# Altium PCB Main.PcbDoc (part 2 of 2)
Units mm, origin at the board's own origin, x right, y up, seen from the top; angles counter-clockwise.
Board outline 244.55 x 130.41 mm, 2 copper layers (Top Layer, Bottom Layer); 159 components, 129 nets, 561 pads, 145 vias.
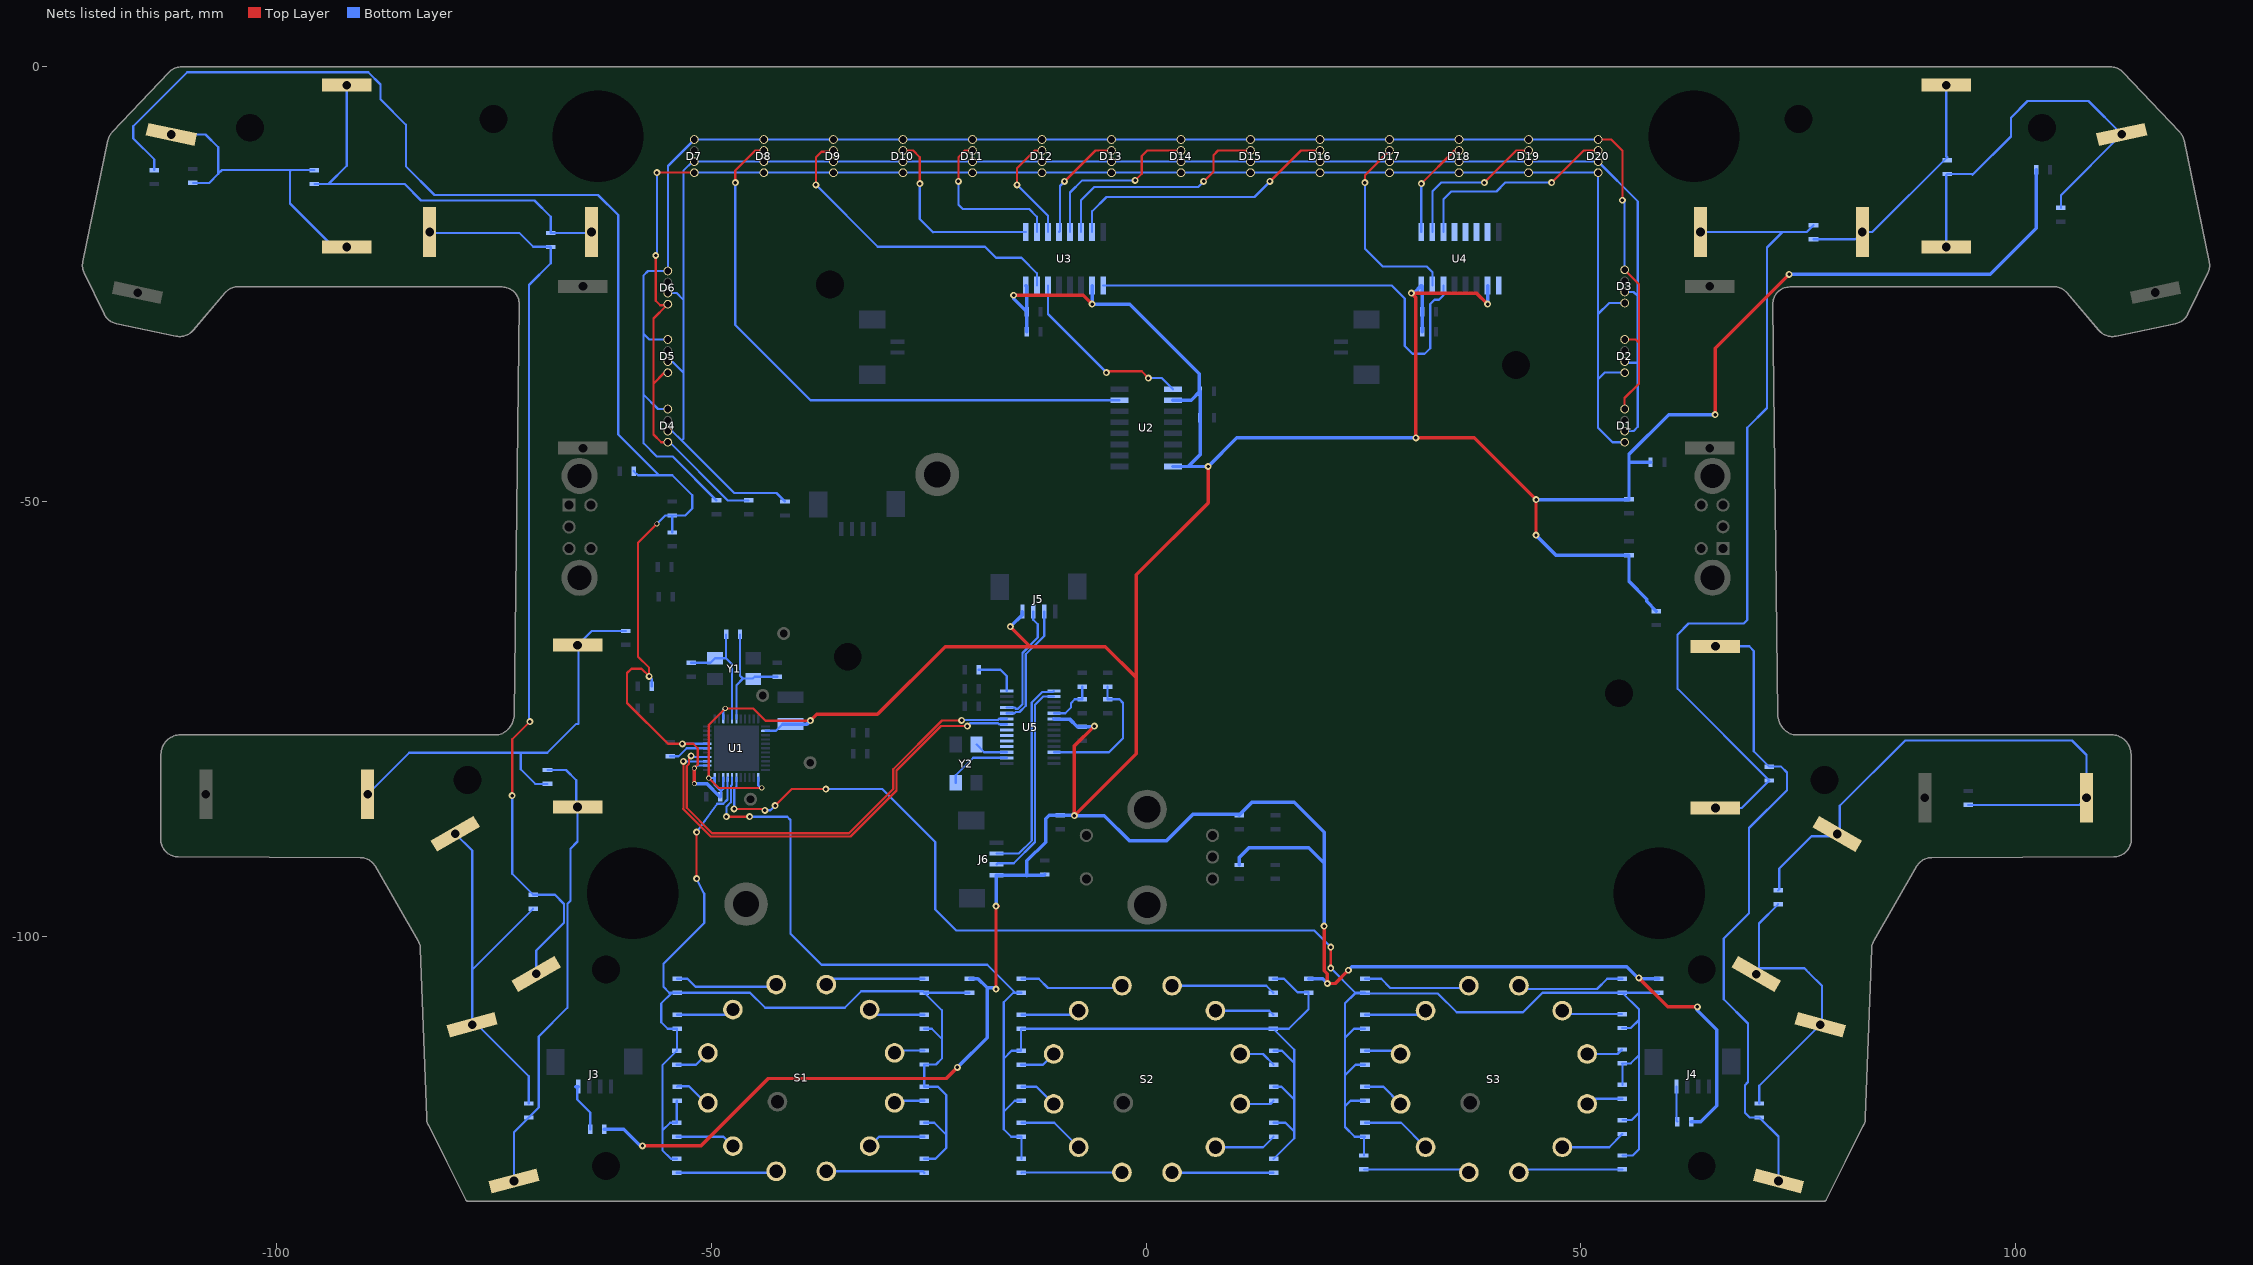
[diagram p2: the nets of this part, all layers, seen from the top]

## Via types
v1: diameter 0.8, hole 0.4, Top Layer to Bottom Layer, tented both sides, 139 vias
v2: diameter 0.6, hole 0.4, Top Layer to Bottom Layer, tented both sides, 6 vias

## Nets (pads, with @x,y where several pads share a name; then routed paths per layer and width w, separated by ;. In a path a pad name is that pad's centre, name@x,y a point inside that pad or via, vN(x,y) a via of type N, cw(c..) or ccw(c..) an arc to the next point about the centre after c; other vN are vias at no path point) (continued)
L8: D8.2 U2.7 | length 69.8
  Top Layer w0.254: v1(-47.219,-13.31) -47.219,-11.913 -44.933,-9.627 D8.2@-43.927,-9.627
  Bottom Layer w0.254: v1(-47.219,-13.31) -47.219,-29.693 -38.583,-38.329 U2.7@-3.049,-38.329
L9: D9.2 U3.15 | length 36.5
  Top Layer w0.254: v1(-37.948,-13.564) -37.948,-10.389 -37.313,-9.754 -36.063,-9.754 D9.2@-35.936,-9.627
  Bottom Layer w0.254: v1(-37.948,-13.564) -30.836,-20.676 -18.517,-20.676 -17.247,-21.946 -14.326,-21.946 -12.548,-23.724 U3.15@-12.548,-25.146
L10: D10.2 U3.1 | length 22.2
  Top Layer w0.254: D10.2@-27.945,-9.627 -26.772,-9.627 -26.01,-10.389 v1(-26.01,-13.437)
  Bottom Layer w0.254: v1(-26.01,-13.437) -26.01,-17.501 -24.486,-19.025 -24.461,-19 U3.1@-13.818,-19
L11: D11.2 U3.2 | length 18.7
  Top Layer w0.254: v1(-21.565,-13.183) -21.565,-10.389 -20.803,-9.627 D11.2@-19.954,-9.627
  Bottom Layer w0.254: v1(-21.565,-13.183) -21.565,-15.85 -21.057,-16.358 -13.437,-16.358 -12.548,-17.247 U3.2@-12.548,-19
L12: D12.2 U3.3 | length 12.5
  Top Layer w0.254: v1(-14.834,-13.564) -14.834,-11.659 -12.802,-9.627 D12.2@-11.962,-9.627
  Bottom Layer w0.254: v1(-14.834,-13.564) -11.278,-17.12 U3.3@-11.278,-19
L13: D13.2 U3.4 | length 13.2
  Top Layer w0.254: v1(-9.373,-13.183) -5.817,-9.627 D13.2@-3.971,-9.627
  Bottom Layer w0.254: U3.4@-10.008,-19 -9.881,-18.873 -9.881,-13.691 v1(-9.373,-13.183) v1@-9.627,-13.183
L14: D14.2 U3.5 | length 20.5
  Top Layer w0.254: v1(-1.245,-13.056) -0.483,-12.294 -0.483,-10.262 0.152,-9.627 D14.2@4.02,-9.627
  Bottom Layer w0.254: U3.5@-8.738,-19 -8.738,-14.453 -7.341,-13.056 v1(-1.245,-13.056)
L15: D15.2 U3.6 | length 26.6
  Top Layer w0.254: v1(6.629,-13.183) 7.772,-12.04 7.772,-10.135 8.28,-9.627 D15.2@12.011,-9.627
  Bottom Layer w0.254: U3.6@-7.468,-19 -7.468,-15.342 -5.944,-13.818 5.994,-13.818 v1(6.629,-13.183)
L16: D16.2 U3.7 | length 31.5
  Top Layer w0.254: v1(14.249,-13.183) 17.805,-9.627 D16.2@20.003,-9.627
  Bottom Layer w0.254: U3.7@-6.198,-19 -6.198,-16.612 -4.547,-14.961 12.471,-14.961 v1(14.249,-13.183)
L17: D17.2 U4.15 | length 22.9
  Top Layer w0.254: v1(25.171,-13.31) 25.171,-12.45 D17.2@27.994,-9.627
  Bottom Layer w0.254: v1(25.171,-13.31) 25.171,-20.93 27.203,-22.962 32.283,-22.962 32.918,-23.597 U4.15@32.918,-25.146
L18: D18.2 U4.1 | length 11.5
  Top Layer w0.254: v1(31.648,-13.437) 35.458,-9.627 D18.2@35.985,-9.627
  Bottom Layer w0.254: U4.1@31.648,-19 v1(31.648,-13.437)
L19: D19.2 U4.2 | length 17.7
  Top Layer w0.254: v1(38.887,-13.31) 42.57,-9.627 D19.2@43.976,-9.627
  Bottom Layer w0.254: U4.2@32.918,-19 32.918,-14.326 33.934,-13.31 v1(38.887,-13.31)
L20: D20.2 U4.3 | length 23.9
  Top Layer w0.254: v1(46.634,-13.31) 50.317,-9.627 D20.2@51.968,-9.627
  Bottom Layer w0.254: U4.3@34.188,-19 34.188,-15.215 35.077,-14.326 40.284,-14.326 41.3,-13.31 v1(46.634,-13.31)
L21: U4.4
L22: U4.5
L23: U4.6
L24: U4.7
NC_: U4.9
NetBTN1_2: BTN1.2 BTN2.1 R50.1 R51.2 | length 36.1
  Bottom Layer w0.254: BTN1.2@-112.058,-7.776 -108.126,-7.776 -106.655,-9.246 -106.655,-12.294 ; R50.1@-109.576,-13.347 -107.709,-13.347 -106.655,-12.294 ; R51.2@-95.606,-11.875 -98.273,-11.875 ; BTN2.1@-91.892,-20.705 -93.418,-20.705 -98.4,-15.723 -98.4,-12.002 -98.273,-11.875 ; -106.655,-12.294 -106.236,-11.875 -98.273,-11.875
NetBTN2_2: BTN2.2 BTN3.1 R51.1 R52.2 | length 47.6
  Bottom Layer w0.254: R51.1@-95.606,-13.474 -93.993,-13.474 ; BTN2.2@-91.892,-2.105 -91.892,-11.374 -93.993,-13.474 ; BTN3.1@-63.7,-19.121 -68.421,-19.121 R52.2@-68.428,-19.114 -68.428,-17.247 -70.308,-15.367 -83.343,-15.367 -85.235,-13.474 -93.993,-13.474
NetBTN3_2: BTN3.2 BTN4.1 R52.1 R53.2 | length 105.3
  Top Layer w0.254: v1(-72.873,-83.795) -72.873,-77.318 v1(-70.841,-75.286)
  Bottom Layer w0.254: BTN3.2@-82.3,-19.121 -72.015,-19.121 -70.46,-20.676 -68.466,-20.676 R52.1@-68.428,-20.713 -68.428,-22.581 -70.934,-25.087 -70.934,-75.066 -70.841,-75.159 v1(-70.841,-75.286) ; v1(-72.873,-83.795) -72.873,-92.774 R53.2@-70.46,-95.187 -67.958,-95.187 -66.904,-96.241 -66.904,-98.4 -70.102,-101.597 BTN4.1@-70.102,-104.279
NetBTN4_2: BTN4.2 BTN5.1 R53.1 R54.2 | length 44.8
  Bottom Layer w0.254: BTN4.2@-79.402,-88.171 -77.469,-90.104 -77.469,-103.795 ; R54.2@-70.968,-119.19 -70.968,-116.053 -76.896,-110.126 BTN5.1@-77.469,-110.126 -77.469,-103.795 ; R53.1@-70.46,-96.786 -77.469,-103.795
NetBTN5_2: BTN5.2 BTN6.1 R54.1 R55.2 | length 53
  Bottom Layer w0.254: BTN5.2@-72.655,-128.092 -72.655,-122.476 R54.1@-70.968,-120.789 -69.825,-119.646 -69.825,-111.481 -66.523,-108.179 -66.523,-96.241 -66.167,-95.884 -66.167,-89.885 -65.349,-89.067 BTN6.1@-65.349,-85.094 -65.507,-84.936 -65.507,-82.017 -66.688,-80.836 R55.2@-68.809,-80.836
NetBTN6_2: BTN6.2 BTN7.1 R55.1 R56.2 | length 48.5
  Bottom Layer w0.254: BTN7.1@-89.481,-83.637 -84.712,-78.867 -71.882,-78.867 ; R55.1@-68.809,-82.435 -70.206,-82.435 -71.882,-80.76 -71.882,-78.867 ; R56.2@-59.817,-64.859 -63.714,-64.859 BTN6.2@-65.349,-66.494 -65.253,-66.59 -65.253,-75.54 -65.507,-75.54 -68.835,-78.867 -71.882,-78.867
NetBTN8_2: BTN8.2 BTN9.1 R58.2 R59.1 | length 46.2
  Bottom Layer w0.254: BTN9.1@92.004,-20.705 92.004,-12.427 R59.1@92.1,-12.331 94.931,-12.331 95.021,-12.421 99.441,-8 99.441,-5.842 101.346,-3.937 108.342,-3.937 BTN8.2@112.167,-7.763 105.181,-14.749 R58.2@105.181,-16.193
NetBTN9_2: BTN9.2 BTN10.1 R59.2 R60.1 | length 27.6
  Bottom Layer w0.254: R60.1@76.733,-19.824 81.519,-19.824 BTN10.1@82.35,-18.994 83.495,-18.994 92.1,-10.389 92.004,-10.293 BTN9.2@92.004,-2.105
NetBTN10_2: BTN10.2 BTN11.1 R60.2 R61.1 | length 96.9
  Bottom Layer w0.254: BTN10.2@63.75,-18.994 73.177,-18.994 ; BTN11.1@65.461,-85.221 68.486,-85.221 R61.1@71.653,-82.054 61.112,-71.513 61.112,-65.253 62.356,-64.008 68.707,-64.008 69.113,-63.602 69.113,-41.504 71.399,-39.218 71.399,-20.772 73.177,-18.994 ; R60.2@76.733,-18.225 75.964,-18.994 73.177,-18.994
NetBTN11_2: BTN11.2 BTN12.1 R61.2 R62.1 | length 74.5
  Bottom Layer w0.254: BTN11.2@65.461,-66.621 69.338,-66.621 69.875,-67.158 69.875,-78.677 R61.2@71.653,-80.455 73.012,-80.455 73.685,-81.128 73.685,-83.16 69.325,-87.519 69.325,-97.299 66.421,-100.203 66.421,-107.188 69.215,-109.982 69.215,-116.712 68.859,-117.069 68.859,-120.244 69.404,-120.789 R62.1@70.51,-120.789 72.704,-122.984 BTN12.1@72.704,-128.092
NetBTN12_2: BTN12.2 BTN13.1 R62.2 R63.1 | length 32.9
  Bottom Layer w0.254: R62.2@70.51,-119.19 70.51,-117.135 BTN12.2@77.519,-110.126 77.724,-109.92 77.724,-105.664 76.197,-104.137 75.692,-103.632 70.458,-103.632 70.458,-98.489 R63.1@72.669,-96.278
NetBTN13_2: BTN13.2 BTN14.1 R63.2 R64.1 | length 65.6
  Bottom Layer w0.254: R63.2@72.669,-94.679 72.796,-94.552 72.796,-92.177 76.516,-88.456 79.758,-88.456 79.758,-84.96 87.274,-77.445 106.451,-77.445 108.131,-79.125 BTN14.1@108.131,-84.018 107.3,-84.848 R64.1@94.513,-84.848
NetC4_2: C4.2 U1.6 | length 4.6
  Bottom Layer w0.254: C4.2@-54.712,-79.261 -53.734,-79.261 -52.807,-78.334 U1.6@-50.452,-78.334
NetD1_1: D1.1 D2.1 D3.1 D4.1 D5.1 D6.1 D7.1 D8.1 D9.1 D10.1 D11.1 D12.1 D13.1 D14.1 D15.1 D16.1 D17.1 D18.1 D19.1 D20.1 R47.1 | length 196.5
  Top Layer w0.254: D20.1@51.968,-8.357 53.492,-8.357 54.762,-9.627 v1(54.762,-15.342) ; D1.1@55.016,-39.345 55.016,-38.075 56.667,-36.424 56.667,-31.725 ; D2.1@55.016,-31.344 56.286,-31.344 56.667,-31.725 ; D3.1@55.016,-23.343 56.667,-24.994 56.667,-31.725
  Bottom Layer w0.254: D4.1@-54.966,-39.345 -56.109,-39.345 -57.76,-37.694 ; D5.1@-54.966,-31.344 -57.125,-31.344 -57.76,-30.709 ; R47.1@-49.378,-49.848 -54.421,-44.806 -56.236,-44.806 -57.76,-43.282 -57.76,-37.694 ; D20.1@51.968,-8.357 D19.1@43.976,-8.357 D18.1@35.985,-8.357 D17.1@27.994,-8.357 D16.1@20.003,-8.357 D15.1@12.011,-8.357 D14.1@4.02,-8.357 D13.1@-3.971,-8.357 D12.1@-11.962,-8.357 D11.1@-19.954,-8.357 D10.1@-27.945,-8.357 D9.1@-35.936,-8.357 D8.1@-43.927,-8.357 D7.1@-51.918,-8.357 -54.966,-11.405 D6.1@-54.966,-23.47 -57.252,-23.47 -57.76,-23.978 -57.76,-30.709 ; v1(54.762,-15.342) 55.016,-15.596 D3.1@55.016,-23.343 ; -57.76,-37.694 -57.76,-30.709
NetD1_3: D1.3 D2.3 D3.3 D4.3 D5.3 D6.3 D7.3 D8.3 D9.3 D10.3 D11.3 D12.3 D13.3 D14.3 D15.3 D16.3 D17.3 D18.3 D19.3 D20.3 R48.1 | length 195.3
  Bottom Layer w0.254: D4.3@-54.966,-41.885 -54.458,-41.885 -53.379,-42.964 ; D5.3@-54.966,-33.884 -54.458,-33.884 -53.188,-35.154 ; D6.3@-54.966,-26.01 -53.95,-26.01 -53.188,-26.772 ; R48.1@-41.504,-49.975 -42.483,-48.997 -47.346,-48.997 -53.379,-42.964 ; D1.3@55.016,-41.885 56.032,-41.885 56.54,-41.377 56.54,-34.011 ; D2.3@55.016,-33.884 55.143,-34.011 56.54,-34.011 ; D3.3@55.016,-25.883 56.032,-25.883 56.54,-26.391 ; -53.379,-42.964 -53.188,-42.774 -53.188,-35.154 ; -53.188,-35.154 -53.188,-26.772 ; -53.188,-26.772 -53.188,-11.963 -52.122,-10.897 D7.3@-51.918,-10.897 D8.3@-43.927,-10.897 D9.3@-35.936,-10.897 D10.3@-27.945,-10.897 D11.3@-19.954,-10.897 D12.3@-11.962,-10.897 D13.3@-3.971,-10.897 D14.3@4.02,-10.897 D15.3@12.011,-10.897 D16.3@20.003,-10.897 D17.3@27.994,-10.897 D18.3@35.985,-10.897 D19.3@43.976,-10.897 D20.3@51.968,-10.897 56.54,-15.469 56.54,-26.391 ; 56.54,-34.011 56.54,-26.391
NetD1_4: D1.4 D2.4 D3.4 D4.4 D5.4 D6.4 D7.4 D8.4 D9.4 D10.4 D11.4 D12.4 D13.4 D14.4 D15.4 D16.4 D17.4 D18.4 D19.4 D20.4 R46.1 | length 196.4
  Top Layer w0.254: v1(-56.363,-21.692) -56.363,-26.899 -55.855,-27.407 D6.4@-55.093,-27.407 ; v1(-56.236,-12.167) D7.4@-51.918,-12.167 ; D4.4@-54.966,-43.155 -55.728,-43.155 -56.617,-42.266 -56.617,-36.424 ; D5.4@-54.966,-35.154 -55.347,-35.154 -56.617,-36.424 ; D6.4@-54.966,-27.28 D6.4@-55.093,-27.407 ; -56.617,-36.424 -56.617,-28.931 D6.4@-55.093,-27.407
  Bottom Layer w0.254: v1(-56.363,-21.692) -56.236,-21.565 v1(-56.236,-12.167) ; D4.4@-54.966,-43.155 -54.764,-43.155 -48.07,-49.848 R46.1@-45.695,-49.848 ; D7.4@-51.918,-12.167 D8.4@-43.927,-12.167 D9.4@-35.936,-12.167 D10.4@-27.945,-12.167 D11.4@-19.954,-12.167 D12.4@-11.962,-12.167 D13.4@-3.971,-12.167 D14.4@4.02,-12.167 D15.4@12.011,-12.167 D16.4@20.003,-12.167 D17.4@27.994,-12.167 D18.4@35.985,-12.167 D19.4@43.976,-12.167 D20.4@51.968,-12.167 51.968,-28.423 ; D1.4@55.016,-43.155 53.619,-43.155 51.968,-41.504 51.968,-35.916 ; D2.4@55.016,-35.154 52.73,-35.154 51.968,-35.916 ; D3.4@55.016,-27.153 53.238,-27.153 51.968,-28.423 ; 51.968,-35.916 51.968,-28.423
NetJ3_1: J3.1 R68.1 | length 5.9
  Bottom Layer w0.254: J3.1@-65.259,-117.251 -65.38,-117.372 -65.38,-118.72 -63.894,-120.206 R68.1@-63.894,-122.149
  Bottom Layer w0.4: -65.562,-117.251 J3.1@-65.259,-117.251
NetJ4_1: J4.1 R69.1 | length 4
  Bottom Layer w0.254: J4.1@60.979,-117.251 60.979,-121.164 R69.1@61.074,-121.26
NetR5_2: R5.2 S1.1 | length 11.5
  Bottom Layer w0.254: R5.2@-53.95,-127.14 -42.685,-127.14 S1.1@-42.52,-126.975
NetR6_1: R6.1 S1.8 | length 6.5
  Bottom Layer w0.254: S1.8@-31.776,-108.382 -31.179,-108.98 R6.1@-25.502,-108.98
NetR7_2: R7.2 S1.2 | length 6.9
  Bottom Layer w0.254: R7.2@-53.95,-123 -48.576,-123 S1.2@-47.496,-124.079
NetR8_1: R8.1 S1.9 | length 3.5
  Bottom Layer w0.254: S1.9@-28.906,-113.361 -28.64,-113.094 R8.1@-25.502,-113.094
NetR9_2: R9.2 S1.3 | length 4.4
  Bottom Layer w0.254: R9.2@-53.912,-117.26 -53.849,-117.196 -52.553,-117.196 -50.648,-119.101 S1.3@-50.369,-119.101
NetR10_1: R10.1 S1.10 | length 3.5
  Bottom Layer w0.254: S1.10@-28.906,-119.101 -28.664,-118.859 R10.1@-25.502,-118.859
NetR11_2: R11.2 S1.4 | length 4.1
  Bottom Layer w0.254: R11.2@-53.95,-114.719 -51.728,-114.719 S1.4@-50.369,-113.361
NetR12_1: R12.1 S1.11 | length 6.7
  Bottom Layer w0.254: S1.11@-31.776,-124.079 -30.696,-122.999 R12.1@-25.502,-122.999
NetR13_2: R13.2 S1.5 | length 6.7
  Bottom Layer w0.254: R13.2@-53.912,-108.979 -48.093,-108.979 S1.5@-47.496,-108.382
NetR14_1: R14.1 S1.12 | length 11.3
  Bottom Layer w0.254: S1.12@-36.755,-126.975 -25.667,-126.975 R14.1@-25.502,-127.139
NetR15_2: R15.2 S1.6 | length 11.9
  Bottom Layer w0.254: R15.2@-53.912,-104.839 -52.718,-104.839 -51.791,-105.766 -42.774,-105.766 S1.6@-42.52,-105.512
NetR16_2: R16.2 S1.7 | length 11.5
  Bottom Layer w0.254: S1.7@-36.755,-105.512 -36.082,-104.839 R16.2@-25.502,-104.839
NetR18_2: R18.2 S2.1 | length 11.6
  Bottom Layer w0.254: R18.2@-14.326,-127.14 -14.288,-127.102 S2.1@-2.769,-127.102
NetR19_1: R19.1 S2.8 | length 6.8
  Bottom Layer w0.254: S2.8@7.975,-108.509 14.159,-108.509 R19.1@14.63,-108.98
NetR22_2: R22.2 S2.2 | length 7.7
  Bottom Layer w0.254: R22.2@-14.326,-121.4 -10.552,-121.4 S2.2@-7.745,-124.206
NetR23_1: R23.1 S2.9 | length 4.3
  Bottom Layer w0.254: S2.9@10.845,-113.488 13.436,-113.488 R23.1@14.668,-114.719
NetR24_2: R24.2 S2.3 | length 4.5
  Bottom Layer w0.254: R24.2@-14.326,-117.26 -12.587,-117.26 S2.3@-10.618,-119.228
NetR25_1: R25.1 S2.10 | length 4
  Bottom Layer w0.254: S2.10@10.845,-119.228 14.299,-119.228 R25.1@14.668,-118.859
NetR26_2: R26.2 S2.4 | length 4.3
  Bottom Layer w0.254: R26.2@-14.364,-114.719 -11.85,-114.719 S2.4@-10.618,-113.488
NetR27_1: R27.1 S2.11 | length 7.2
  Bottom Layer w0.254: S2.11@7.975,-124.206 13.46,-124.206 R27.1@14.668,-122.999
NetR28_2: R28.2 S2.5 | length 6.8
  Bottom Layer w0.254: R28.2@-14.326,-108.979 -8.215,-108.979 S2.5@-7.745,-108.509
NetR29_1: R29.1 S2.12 | length 11.7
  Bottom Layer w0.254: S2.12@2.996,-127.102 3.034,-127.139 R29.1@14.668,-127.139
NetR30_2: R30.2 S2.6 | length 12.1
  Bottom Layer w0.254: R30.2@-14.326,-104.839 -12.332,-104.839 -11.278,-105.893 -3.023,-105.893 S2.6@-2.769,-105.639
NetR31_2: R31.2 S2.7 | length 12
  Bottom Layer w0.254: S2.7@2.996,-105.639 13.83,-105.639 R31.2@14.63,-106.439
NetR33_2: R33.2 S3.1 | length 12.2
  Bottom Layer w0.254: R33.2@25.044,-126.759 36.766,-126.759 S3.1@37.109,-127.102
NetR34_1: R34.1 S3.8 | length 7
  Bottom Layer w0.254: S3.8@47.853,-108.509 48.247,-108.903 R34.1@54.724,-108.903
NetR35_2: R35.2 S3.2 | length 8.1
  Bottom Layer w0.254: R35.2@25.171,-121.4 29.326,-121.4 S3.2@32.133,-124.206
NetR36_1: R36.1 S3.9 | length 4.2
  Bottom Layer w0.254: S3.9@50.723,-113.488 54.203,-113.488 R36.1@54.724,-112.967
NetR37_2: R37.2 S3.3 | length 4.9
  Bottom Layer w0.254: R37.2@25.171,-117.26 27.291,-117.26 S3.3@29.26,-119.228
NetR38_1: R38.1 S3.10 | length 4.3
  Bottom Layer w0.254: S3.10@50.723,-119.228 51.32,-118.63 R38.1@54.762,-118.63
NetR40_2: R40.2 S3.4 | length 4.2
  Bottom Layer w0.254: R40.2@25.171,-113.119 28.891,-113.119 S3.4@29.26,-113.488
NetR41_1: R41.1 S3.11 | length 7.5
  Bottom Layer w0.254: S3.11@47.853,-124.206 53.25,-124.206 R41.1@54.762,-122.694
NetR42_2: R42.2 S3.5 | length 7.2
  Bottom Layer w0.254: R42.2@25.171,-108.979 31.663,-108.979 S3.5@32.133,-108.509
NetR43_1: R43.1 S3.12 | length 12
  Bottom Layer w0.254: S3.12@42.874,-127.102 43.218,-126.758 R43.1@54.762,-126.758
NetR44_2: R44.2 S3.6 | length 12.5
  Bottom Layer w0.254: R44.2@25.171,-104.839 27.038,-104.839 28.092,-105.893 36.855,-105.893 S3.6@37.109,-105.639
NetR45_2: R45.2 S3.7 | length 12.5
  Bottom Layer w0.254: S3.7@42.874,-105.639 43.255,-106.02 51.841,-106.02 53.022,-104.839 R45.2@54.762,-104.839
NetR71_2: R71.2 U5.14 | length 5.2
  Bottom Layer w0.254: R71.2@-19.241,-69.317 -16.739,-69.317 -16.01,-70.046 U5.14@-16.01,-71.755
NetU2_9: U2.9 U3.14 | length 21.4
  Top Layer w0.254: v1(-4.547,-35.154) -4.401,-35.008 -0.502,-35.008 v1(0.279,-35.789)
  Bottom Layer w0.254: U3.14@-11.278,-25.146 -11.278,-28.423 v1(-4.547,-35.154) ; v1(0.279,-35.789) 1.828,-35.789 U2.9@3.098,-37.059
NetU3_9: U3.9 U4.14 | length 52.4
  Bottom Layer w0.254: U3.9@-4.928,-25.146 28.244,-25.146 29.743,-26.645 29.743,-32.106 30.632,-32.995 32.029,-32.995 32.664,-32.36 32.664,-27.28 33.172,-26.772 33.68,-26.772 34.188,-26.264 U4.14@34.188,-25.146
ROTARY1: R1.1 R5.1 R6.2 R7.1 R8.2 R9.1 R10.2 R11.1 R12.2 R13.1 R14.2 R15.1 R16.1 U1.41 | length 123.3
  Top Layer w0.254: v1(-51.664,-93.32) v1(-51.664,-87.986)
  Bottom Layer w0.254: R5.1@-53.95,-125.54 -54.623,-125.54 -55.601,-124.562 -55.601,-122.276 ; R9.1@-53.912,-118.859 -53.95,-118.897 R7.1@-53.95,-121.4 -54.699,-121.4 -54.712,-121.387 -55.601,-122.276 ; v1(-51.664,-93.32) -50.8,-95.073 -50.8,-98.424 -55.474,-103.099 -55.474,-105.766 -54.802,-106.438 -54.496,-106.438 ; v1(-51.664,-87.986) -49.293,-84.726 -48.604,-84.726 -48.108,-84.23 -48.108,-81.694 U1.41@-48.092,-81.694 ; R14.2@-25.502,-125.54 -24.194,-125.54 -22.962,-124.308 -22.962,-122.784 ; R12.2@-25.502,-121.4 -24.347,-121.4 -22.962,-122.784 ; R6.2@-25.502,-110.579 -24.626,-110.579 -23.47,-111.735 ; R1.1@-20.295,-106.438 R16.1@-25.502,-106.438 ; -55.601,-122.276 -55.601,-114.771 R11.1@-53.95,-113.12 -53.912,-113.082 R13.1@-53.912,-110.579 -54.98,-110.579 -55.728,-109.83 -55.728,-107.671 -54.496,-106.438 ; -54.496,-106.438 R15.1@-53.912,-106.438 -45.531,-106.438 -43.79,-108.179 -34.646,-108.179 -32.741,-106.274 -25.667,-106.274 R16.1@-25.502,-106.438 ; R16.1@-25.502,-106.438 -23.47,-108.47 -23.47,-111.735 ; -23.47,-111.735 -23.47,-114.021 -24.143,-114.694 R8.2@-25.502,-114.694 R10.2@-25.502,-117.26 -23.915,-117.26 -22.962,-118.212 -22.962,-122.784
ROTARY2: R17.1 R18.1 R19.2 R22.1 R23.2 R24.1 R25.2 R26.1 R27.2 R28.1 R29.2 R30.1 R31.1 U1.40 | length 149.8
  Top Layer w0.254: v1(-48.235,-86.208) v1(-45.568,-86.208)
  Bottom Layer w0.254: v1(-48.235,-86.208) -48.235,-85.065 -47.727,-84.557 -47.727,-82.652 -47.6,-82.525 -47.6,-81.702 U1.40@-47.592,-81.694 ; v1(-45.568,-86.208) -41.25,-86.208 -40.869,-86.589 -40.869,-99.67 -37.313,-103.226 -18.263,-103.226 -15.051,-106.438 ; R18.1@-14.326,-125.54 R22.1@-14.326,-122.999 -15.508,-122.999 -16.358,-122.149 -16.358,-120.117 ; R24.1@-14.326,-118.859 -15.101,-118.859 -16.358,-120.117 ; R30.1@-14.326,-106.438 -15.051,-106.438 ; R31.1@14.63,-104.839 15.862,-104.839 17.424,-106.401 18.656,-106.401 R17.1@18.694,-106.438 18.694,-108.306 16.42,-110.579 R19.2@14.63,-110.579 ; R29.2@14.668,-125.54 17.043,-123.165 17.043,-122.403 ; R27.2@14.668,-121.4 16.039,-121.4 17.043,-122.403 ; R25.2@14.668,-117.26 15.582,-117.26 17.043,-118.72 ; R23.2@14.668,-113.119 15.633,-113.119 17.043,-114.529 ; -16.358,-120.117 -16.358,-114.021 ; -16.358,-114.021 -16.358,-107.544 -15.215,-106.401 -15.178,-106.438 -15.051,-106.438 ; -16.358,-114.021 -15.469,-113.132 -15.482,-113.12 R26.1@-14.364,-113.12 -14.364,-110.617 R28.1@-14.326,-110.579 R19.2@14.63,-110.579 ; R19.2@14.63,-110.579 17.043,-112.992 17.043,-114.529 ; 17.043,-122.403 17.043,-118.72 ; 17.043,-118.72 17.043,-114.529
ROTARY3: R32.1 R33.1 R34.2 R35.1 R36.2 R37.1 R38.2 R40.1 R41.2 R42.1 R43.2 R44.1 R45.1 U1.39 | length 189
  Top Layer w0.254: v1(-47.346,-85.319) -43.967,-85.319 v1(-43.815,-85.471) ; v1(-42.647,-84.938) -40.742,-83.033 v1(-36.805,-83.033) ; v1(21.234,-103.607) v1(21.234,-101.194)
  Bottom Layer w0.254: v1(-47.346,-85.319) -47.346,-83.033 -47.092,-82.779 U1.39@-47.092,-81.694 ; v1(-43.815,-85.471) -43.181,-85.471 v1(-42.647,-84.938) ; v1(-36.805,-83.033) -30.328,-83.033 -24.232,-89.129 -24.232,-96.876 -21.819,-99.289 19.329,-99.289 v1(21.234,-101.194) ; v1(21.234,-103.607) 24.065,-106.438 R44.1@25.171,-106.438 ; R33.1@25.044,-125.159 25.044,-123.126 R35.1@25.171,-122.999 23.989,-122.999 22.885,-121.895 22.885,-119.482 ; R37.1@25.171,-118.859 23.507,-118.859 22.885,-119.482 ; R40.1@25.171,-114.719 24.092,-114.719 22.885,-115.926 ; R42.1@25.171,-110.579 23.914,-110.579 22.885,-111.608 ; R34.2@54.724,-110.503 55.74,-110.503 56.667,-109.576 ; R43.2@54.762,-125.159 55.943,-125.159 56.667,-124.435 56.667,-120.244 ; R41.2@54.762,-121.095 55.816,-121.095 56.667,-120.244 ; R38.2@54.762,-117.031 54.762,-114.605 R36.2@54.724,-114.567 55.74,-114.567 56.667,-113.64 ; R32.1@58.953,-106.438 R45.1@54.762,-106.438 ; 22.885,-119.482 22.885,-115.926 ; 22.885,-115.926 22.885,-111.608 ; 22.885,-111.608 22.885,-107.671 24.028,-106.528 25.081,-106.528 R44.1@25.171,-106.438 ; R44.1@25.171,-106.438 25.26,-106.528 33.553,-106.528 35.712,-108.687 43.332,-108.687 45.58,-106.438 R45.1@54.762,-106.438 ; R45.1@54.762,-106.438 56.667,-108.343 56.667,-109.576 ; 56.667,-120.244 56.667,-113.64 ; 56.667,-113.64 56.667,-109.576
USB1_N: J5.3 U5.10 | length 14.2
  Bottom Layer w0.254: U5.10@-16.01,-74.321 -15.121,-74.321 -14.982,-74.181 -14.55,-74.181 -13.818,-73.45 -13.818,-67.539 -11.705,-65.426 J5.3@-11.705,-62.641
USB1_P: J5.2 U5.11 | length 13.7
  Bottom Layer w0.254: U5.11@-16.01,-73.66 -15.121,-73.66 -14.982,-73.8 -14.707,-73.8 -14.199,-73.292 -14.199,-67.381 -12.437,-65.619 -12.437,-64.087 -12.955,-63.568 J5.2@-12.955,-62.641
USB2_N: U1.3 U5.8 | length 53.6
  Top Layer w0.254: v1(-53.188,-79.858) -53.188,-85.274 -53.226,-85.312 -50.044,-88.494 -33.981,-88.494 -28.677,-83.191 -28.677,-80.905 -23.567,-75.794 v1(-20.549,-75.794)
  Bottom Layer w0.254: v1(-53.188,-79.858) -53.169,-79.877 -50.452,-79.877 U1.3@-50.452,-79.834 ; v1(-20.549,-75.794) -20.219,-75.464 -17.026,-75.464 -16.899,-75.591 U5.8@-16.01,-75.591
USB2_P: U1.4 U5.9 | length 52.8
  Top Layer w0.254: v1@-52.553,-79.477 v1(-52.299,-79.223) ; -52.534,-79.587 -52.534,-80.129 -52.807,-80.402 -52.807,-85.192 -49.886,-88.113 -34.138,-88.113 -29.058,-83.033 -29.058,-80.747 -23.45,-75.138 v1(-21.205,-75.138)
  Bottom Layer w0.254: v1(-52.299,-79.223) -52.188,-79.334 U1.4@-50.452,-79.334 ; v1(-21.205,-75.138) -21.149,-75.083 -17.026,-75.083 -16.899,-74.956 U5.9@-16.01,-74.956
USB3_N: U5.6
USB3_P: U5.7
USB4_N: U5.4
USB4_P: U5.5
USB_BUSJ: R70.1 R73.2 U5.19 | length 5.7
  Bottom Layer w0.254: U5.19@-10.593,-74.321 -9.297,-74.321 -8.611,-73.635 -8.611,-73.127 -8.192,-72.708 R73.2@-7.341,-72.708 R70.1@-7.341,-71.259
USB_OSC1: U5.2 Y2.1 | length 7.6
  Bottom Layer w0.254: Y2.1@-21.876,-82.312 -21.876,-81.439 -19.878,-79.441 U5.2@-16.01,-79.441
USB_OSC2: U5.3 Y2.3 | length 3.8
  Bottom Layer w0.254: Y2.3@-19.476,-77.912 -18.587,-78.801 U5.3@-16.01,-78.801
USB_OVC: R67.1 R72.2 U5.26 | length 16.1
  Bottom Layer w0.254: U5.26@-10.593,-78.801 -4.252,-78.801 -2.642,-77.191 -2.642,-73.127 -3.061,-72.708 R72.2@-4.42,-72.708 R67.1@-4.42,-71.259
USBH_N: J6.3 U5.15 | length 23.6
  Bottom Layer w0.254: J6.3@-17.192,-90.445 -14.626,-90.445 -13.144,-88.962 -13.144,-73.087 -11.939,-71.882 -10.72,-71.882 U5.15@-10.593,-71.755
USBH_P: J6.2 U5.16 | length 23.8
  Bottom Layer w0.254: J6.2@-17.192,-91.695 -17.065,-91.568 -15.211,-91.568 -12.763,-89.12 -12.763,-73.341 -11.812,-72.39 U5.16@-10.593,-72.39
VCC: C7.1 C8.2 C11.2 C12.2 C13.2 C14.2 C15.2 C16.2 C17.2 C22.2 C23.2 J5.1 J6.1 R1.2 R2.2 R3.2 R4.2 R17.2 R20.2 R21.2 R32.2 R49.2 R57.1 R65.2 R66.2 R68.2 R69.2 R74.2 R75.2 R76.2 U1.2 U1.7 U1.14 U1.24 U1.34 U1.42 U1.44 U2.10 U2.16 U3.10 U3.16 U4.10 U4.16 U5.20 | length 781.6
  Top Layer w0.254: v2(-56.236,-52.553) -58.414,-54.731 -58.414,-67.81 -57.125,-69.099 v1(-57.125,-70.079) -58.014,-69.19 -59.157,-69.19 -59.665,-69.698 -59.665,-73.127 -54.966,-77.826 v1(-53.315,-77.826) -52.045,-77.826 -51.537,-78.334 -51.537,-80.239 v2(-51.918,-80.62) ; v2(-44.171,-82.906) -49.124,-82.906 v2(-50.267,-81.763) -50.267,-75.667 v2(-48.362,-73.762) -45.17,-73.762 -43.754,-75.178 -38.602,-75.178 v1(-38.583,-75.159)
  Top Layer w0.4: v1(-57.887,-124.054) -51.156,-124.054 -43.409,-116.307 -22.962,-116.307 v1(-21.692,-115.037) ; v2(-51.918,-82.398) v2(-51.918,-80.62) ; v1(-38.583,-75.159) -37.856,-74.432 -30.871,-74.432 -23.089,-66.65 -13.31,-66.65 ; v1(-17.247,-106.02) -17.247,-96.749 -16.993,-96.495 v1(-17.247,-96.495) ; v1(-15.596,-64.364) -13.31,-66.65 ; v1(-15.215,-26.264) -7.214,-26.264 v1(-6.198,-27.28) ; v1(-5.944,-75.794) -8.23,-78.08 v1(-8.23,-86.081) -1.118,-78.969 -1.118,-70.206 ; v1(7.137,-45.949) 7.137,-50.14 -1.118,-58.395 -1.118,-70.206 ; v1(20.472,-98.781) 20.507,-98.816 20.507,-103.908 20.853,-104.254 v1(20.853,-105.385) 21.742,-105.385 v1(23.266,-103.861) ; v1(39.268,-27.28) 37.998,-26.01 v1(30.505,-26.01) 31.013,-26.518 v1(31.013,-42.647) 37.744,-42.647 v1(44.856,-49.759) 44.831,-49.783 v1(44.831,-53.848) ; v1(56.667,-104.75) 59.994,-108.077 v1(63.373,-108.077) ; v1(65.43,-39.98) 65.43,-32.36 v1(73.939,-23.851) ; -13.31,-66.65 -4.674,-66.65 -1.118,-70.206
  Bottom Layer w0.254: R49.2@-114.021,-11.875 -114.021,-10.643 -116.434,-8.23 -116.434,-6.833 -110.237,-0.635 -89.403,-0.635 -88.011,-2.027 -88.011,-3.738 -85.09,-6.659 -85.09,-11.43 -81.788,-14.732 -62.992,-14.732 -60.681,-17.043 -60.681,-42.266 -55.982,-46.965 ; R65.2@-58.89,-46.482 -58.407,-46.965 -55.982,-46.965 ; v1(-57.125,-70.079) -56.833,-70.371 R4.2@-56.833,-71.222 ; v2(-56.236,-52.553) -55.258,-51.575 R20.2@-54.487,-51.575 ; R21.2@-54.458,-53.531 -54.458,-51.603 R20.2@-54.487,-51.575 ; v1(-53.315,-77.826) -53.307,-77.834 U1.7@-50.452,-77.834 ; v2(-51.918,-80.62) -51.632,-80.334 U1.2@-50.452,-80.334 ; v2(-50.267,-81.763) -49.661,-81.763 U1.44@-49.592,-81.694 -49.592,-82.565 -48.87,-83.287 ; C8.2@-48.959,-83.922 -48.87,-83.833 -48.87,-83.287 ; U1.42@-48.592,-81.694 -48.592,-83.009 -48.87,-83.287 ; U1.14@-48.592,-74.974 v2@-48.592,-73.865 ; U1.34@-44.592,-81.694 -44.592,-82.612 -44.298,-82.906 v2(-44.171,-82.906) ; U1.24@-43.732,-76.334 -42.536,-76.334 C7.1@-41.758,-75.556 ; -55.982,-46.965 -54.458,-46.965 -52.172,-49.251 -52.172,-50.775 -52.972,-51.575 R20.2@-54.487,-51.575
  Bottom Layer w0.4: R68.2@-62.294,-122.149 -60.046,-122.149 -58.141,-124.054 v1(-57.887,-124.054) ; v2(-51.918,-82.398) -50.521,-82.398 -48.997,-83.922 C8.2@-48.959,-83.922 ; C7.1@-41.758,-75.556 C7.1@-40.869,-75.556 -38.98,-75.556 v1(-38.583,-75.159) ; v1(-21.692,-115.037) -18.263,-111.608 -18.263,-105.893 ; R1.2@-20.295,-104.839 -19.317,-104.839 -18.263,-105.893 ; v1(-17.247,-106.02) -17.374,-105.893 -18.263,-105.893 ; v1(-17.247,-96.495) -17.192,-96.44 J6.1@-17.192,-92.945 -13.691,-92.945 ; v1(-15.596,-64.364) -14.205,-62.973 J5.1@-14.205,-62.641 ; v1(-15.215,-26.264) -15.215,-26.683 C15.2@-13.729,-28.169 ; U3.16@-13.818,-25.146 -13.729,-25.235 C15.2@-13.729,-28.169 ; C13.2@-13.729,-30.455 C15.2@-13.729,-28.169 ; -13.691,-93.028 -13.691,-92.945 ; C22.2@-11.659,-92.85 -11.754,-92.945 -13.691,-92.945 ; U5.20@-10.593,-74.956 -10.516,-75.032 -8.738,-75.032 -7.887,-75.883 C17.2@-7.341,-75.883 -6.033,-75.883 v1(-5.944,-75.794) ; U3.10@-6.198,-25.146 v1(-6.198,-27.28) -1.88,-27.28 6.121,-35.281 6.121,-37.224 C11.2@6.21,-37.313 ; U2.16@3.098,-45.949 4.851,-45.949 ; U2.10@3.098,-38.329 5.194,-38.329 C11.2@6.21,-37.313 ; R74.2@10.693,-91.758 10.693,-90.907 11.836,-89.764 18.694,-89.764 20.472,-91.542 ; R17.2@18.694,-104.839 20.307,-104.839 v1(20.853,-105.385) ; v1(20.472,-98.781) 20.472,-91.542 ; v1(23.266,-103.861) 23.647,-103.48 55.27,-103.48 56.629,-104.839 v1@56.756,-104.839 ; v1(30.505,-26.01) 30.784,-26.01 U4.16@31.648,-25.146 31.737,-25.235 C12.2@31.737,-28.169 C16.2@31.737,-30.455 ; v1(31.013,-42.647) 10.439,-42.647 v1(7.137,-45.949) 4.851,-45.949 ; v1(39.268,-27.28) U4.10@39.268,-25.146 ; v1(44.831,-53.848) 47.13,-56.147 R2.2@55.524,-56.147 55.524,-59.157 57.556,-61.189 57.556,-61.455 C23.2@58.674,-62.573 ; v1(44.856,-49.759) 55.486,-49.759 R3.2@55.524,-49.721 55.524,-45.466 ; v1(56.667,-104.75) v1@56.756,-104.839 ; R66.2@58.001,-45.466 55.524,-45.466 ; R32.2@58.953,-104.839 v1@56.756,-104.839 ; R69.2@62.674,-121.26 63.779,-121.26 65.62,-119.418 65.62,-110.705 63.373,-108.458 v1(63.373,-108.077) ; v1(65.43,-39.98) 60.096,-39.98 55.524,-44.552 55.524,-45.466 ; v1(73.939,-23.851) 97.053,-23.851 102.349,-18.554 102.349,-11.836 R57.1@102.325,-11.811 ; -13.691,-92.945 -13.691,-91.288 -11.532,-89.129 -11.532,-86.462 -11.113,-86.043 R76.2@-9.881,-86.043 -8.268,-86.043 v1(-8.23,-86.081) -4.801,-86.081 -1.88,-89.002 2.311,-89.002 5.359,-85.954 10.604,-85.954 R75.2@10.693,-86.043 12.179,-84.557 17.043,-84.557 20.472,-87.986 20.472,-91.542 ; 4.851,-45.949 6.21,-44.59 C14.2@6.21,-40.323 C11.2@6.21,-37.313
XTAL1: C9.2 R39.2 U1.17 Y1.1 | length 14.2
  Bottom Layer w0.254: U1.17@-47.092,-74.974 -47.092,-71.095 -46.33,-70.333 ; R39.2@-46.673,-65.253 -46.673,-69.99 -46.33,-70.333 ; C9.2@-42.393,-70.117 -44.987,-70.117 -45.203,-70.333 -46.33,-70.333
XTAL2: C10.2 R39.1 U1.16 Y1.3 | length 14.2
  Bottom Layer w0.254: C10.2@-52.299,-68.517 -50.073,-68.517 Y1.3@-49.546,-67.99 -48.292,-67.99 ; R39.1@-48.273,-65.253 -48.273,-67.97 -48.292,-67.99 ; U1.16@-47.592,-74.974 -47.592,-68.69 -48.292,-67.99
pads on no net: ENC1.D1 ENC1.E1 ENC1.MH1 ENC1.MH2 ENC2.D1 ENC2.E1 ENC2.MH1 ENC2.MH2 ENC3.MH1 ENC3.MH2 J1.3 J1.4 J2.3 J2.4 J3. J3.3 J4. J4.3 J5. J6. J7. U5.22 U5.23 U5.24 U5.25
copper on no net: | length 0.1
  Bottom Layer w0.254: v1(-23.978,-84.557) v1@-23.978,-84.43

## Polygon pours and split planes (outlines as drawn)
GND on Bottom Layer "MGND BOTTOM" (solid, remove dead copper, pour order 9): 167 vertices, not listed, extent -122.277,-130.416 122.27,-0.005
GND on Top Layer "Mid Layer 2-No Net" (solid, remove dead copper, pour order 13): 167 vertices, not listed, extent -122.277,-130.416 122.27,-0.005

## Silkscreen, mask and mechanical layers (free items; w line width, h text height)
Bottom Overlay:
  text "rst" at -36.068,-55.88 h0.89 r90
  text "sclk" at -34.417,-55.88 h0.89 r90
  text "mosi" at -32.893,-56.007 h0.89 r90
  text "miso" at -30.734,-56.007 h0.89 r90
Mechanical 1:
  circle w0.1: c-66.867,-76.066 r5.57
  circle w0.1: c-100.367,-83.756 r6.339
  circle w0.1: c-76.367,-96.361 r6.417
  circle w0.1: c-76.367,-119.025 r5.726
  circle w0.1: c-41.186,-116.361 r4.209
  circle w0.1: c-1.367,-116.361 r3.712
  circle w0.1: c-1.149,-90.755 r6.078
  circle w0.1: c2.633,-10.361 r2.55
  circle w0.1: c-5.367,-10.361 r2.628
  circle w0.1: c-13.367,-10.361 r2.869
  circle w0.1: c-21.367,-10.361 r2.323
  circle w0.1: c-29.367,-10.361 r2.323
  circle w0.1: c-37.367,-10.361 r2.323
  circle w0.1: c-45.367,-10.361 r2.323
  circle w0.1: c-53.367,-10.361 r2.323
  circle w0.1: c-56.367,-41.361 r2.323
  circle w0.1: c-56.367,-33.361 r2.399
  circle w0.1: c-56.367,-25.361 r2.399
  circle w0.1: c-74.367,-19.104 r4.2
  circle w0.1: c-93.367,-11.364 r6.218
  circle w0.1: c-115.367,-16.923 r4
  circle w0.1: c38.453,-116.361 r4
  circle w0.1: c10.633,-10.361 r2.55
  circle w0.1: c53.634,-41.361 r2.55
  circle w0.1: c53.634,-33.361 r2.55
  circle w0.1: c53.634,-25.361 r2.55
  circle w0.1: c50.634,-10.361 r2.55
  circle w0.1: c42.634,-10.361 r2.55
  circle w0.1: c34.634,-10.361 r2.55
  circle w0.1: c26.634,-10.361 r2.55
  circle w0.1: c18.633,-10.361 r2.55
  circle w0.1: c2.633,-10.361 r2.55
  circle w0.1: c64.134,-76.066 r6.1
  circle w0.1: c73.634,-96.361 r6.1
  circle w0.1: c73.634,-119.025 r6.1
  lines w0.1: -44.867,-74.12 -44.867,-23.68 ; -43.867,-75.12 41.134,-75.12 ; -43.867,-22.68 41.134,-22.68 ; -13.909,-130.346 75.363,-130.346 ; -3.909,-0.46 108.967,-0.46 cw(c108.967,-2.46) 110.419,-1.084 115.616,-6.57 cw(c114.164,-7.946) 116.123,-7.539 119.452,-23.559 cw(c117.493,-23.966) 119.292,-24.84 117.525,-28.477 cw(c115.726,-27.603) 116.133,-29.561 110.607,-30.709 cw(c110.2,-28.751) 108.678,-30.049 104.425,-25.064 ccw(c102.904,-26.362) 102.896,-24.362 72.61,-24.477 ccw(c72.617,-26.477) 70.617,-26.483 70.756,-74.735 ccw(c73.389,-74.727) 73.396,-77.36 77.099,-77.349 109.822,-77.256 cw(c109.828,-79.256) 111.828,-79.248 111.864,-88.771 cw(c109.864,-88.778) 109.872,-90.778 ; -1.367,-186.361 -1.367,48.001 ; 1.176,-0.46 -111.7,-0.46 ccw(c-111.7,-2.46) -113.152,-1.084 -118.349,-6.57 ccw(c-116.897,-7.946) -118.856,-7.539 -122.185,-23.559 ccw(c-120.226,-23.966) -122.025,-24.84 -120.258,-28.477 ccw(c-118.459,-27.603) -118.866,-29.561 -113.34,-30.709 ccw(c-112.933,-28.751) -111.411,-30.049 -107.158,-25.064 cw(c-105.637,-26.362) -105.629,-24.362 -75.343,-24.477 cw(c-75.35,-26.477) -73.35,-26.483 -73.489,-74.735 cw(c-76.122,-74.727) -76.129,-77.36 -79.832,-77.349 ; 11.176,-130.346 -78.096,-130.346 cw(c-78.096,-128.346) -79.885,-129.24 -83.553,-121.903 cw(c-81.765,-121.008) -83.763,-121.081 -84.46,-101.864 ccw(c-86.459,-101.936) -84.726,-100.938 -89.955,-91.86 ccw(c-91.688,-92.858) -91.68,-90.858 -112.605,-90.778 cw(c-112.597,-88.778) -114.597,-88.771 -114.561,-79.248 cw(c-112.561,-79.256) -112.555,-77.256 -79.832,-77.349 ; 42.134,-74.12 42.134,-23.68 ; 88.797,-90.859 110.134,-90.777 ; 88.947,-90.858 ccw(c88.955,-92.858) 87.222,-91.86 81.993,-100.938 ccw(c83.726,-101.936) 81.727,-101.864 81.03,-121.081 cw(c79.032,-121.008) 80.82,-121.903 77.152,-129.24 ; -79.832,-77.349 ccw(c-79.826,-75.349) -79.832,-77.349 ; 75.363,-130.346 ccw(c75.363,-128.346) 77.152,-129.24 ; 75.363,-130.346 ccw(c75.363,-128.346) 77.152,-129.24
Mechanical 2:
  circle w0.1: c-39.823,-116.361 r4.209
  circle w0.1: c-0.004,-116.361 r3.712
  circle w0.1: c39.816,-116.361 r4
  lines w0.1: -0.004,-186.361 -0.004,48.001
Mechanical 4:
  lines w0.125: -122.022,-141.58 -122.276,-141.326 -122.276,6.629 -120.498,4.851 ; -114.656,-141.58 144.424,-141.58 145.313,-142.469 145.313,-4.928 145.313,2.057 142.519,4.851 -113.132,4.851 ; -43.536,-186.411 -41.504,-186.411
PCB Outline:
  lines w0.1: -22.889,-0.055 110.847,-0.055 cw(c110.854,-2.055) 112.306,-0.68 118.774,-7.508 cw(c117.322,-8.883) 119.28,-8.476 122.177,-22.424 cw(c120.219,-22.831) 122.018,-23.705 119.728,-28.415 cw(c117.93,-27.54) 118.336,-29.498 111.491,-30.919 cw(c111.084,-28.961) 109.56,-30.256 105.882,-25.929 ccw(c104.358,-27.225) 104.356,-25.225 74.007,-25.261 ccw(c74.01,-27.261) 72.01,-27.286 72.586,-74.474 ccw(c75.075,-74.444) 74.424,-76.847 110.989,-76.847 cw(c110.993,-79.045) 113.191,-79.036 113.227,-88.768 cw(c111.226,-88.776) 111.233,-90.777 90.304,-90.857 ccw(c90.312,-92.859) 88.577,-91.86 83.62,-100.464 ccw(c85.293,-101.428) 83.363,-101.358 82.652,-120.84 cw(c80.545,-120.763) 82.431,-121.706 78.183,-130.204 cw(c77.922,-130.074) 77.922,-130.365 -12.546,-130.365 ; 12.539,-130.365 -77.929,-130.365 cw(c-77.929,-130.074) -78.19,-130.204 -82.438,-121.706 cw(c-80.552,-120.763) -82.659,-120.84 -83.37,-101.358 ccw(c-85.3,-101.428) -83.627,-100.464 -88.585,-91.86 ccw(c-90.319,-92.859) -90.311,-90.857 -111.24,-90.777 cw(c-111.233,-88.776) -113.234,-88.768 -113.198,-79.036 cw(c-111,-79.045) -110.996,-76.847 -74.431,-76.847 ccw(c-75.082,-74.444) -72.593,-74.474 -72.017,-27.286 ccw(c-74.017,-27.261) -74.015,-25.261 -104.363,-25.225 ccw(c-104.365,-27.225) -105.889,-25.929 -109.568,-30.256 cw(c-111.091,-28.961) -111.498,-30.919 -118.343,-29.498 cw(c-117.937,-27.54) -119.735,-28.415 -122.025,-23.705 cw(c-120.226,-22.831) -122.185,-22.424 -119.287,-8.476 cw(c-117.329,-8.883) -118.781,-7.508 -112.313,-0.68 cw(c-110.861,-2.055) -110.854,-0.055 22.882,-0.055
  lines w0.125: 16.891,-79.375 50.292,-79.375 50.292,-58.674 16.891,-58.674 16.891,-79.375

## Text inside footprints (layer, text, board x,y; h text height)
ENC1: Mechanical 2 ">NAME" at 76.257,-52.873 h1.97; Mechanical 4 ">VALUE" at 76.257,-52.873 h1.97
ENC2: Mechanical 2 ">NAME" at -76.257,-52.901 h1.97 r180; Mechanical 4 ">VALUE" at -76.257,-52.901 h1.97 r180
ENC3: Mechanical 2 ">NAME" at 0.38,-90.843 h1.97 r90; Mechanical 4 ">VALUE" at 0.38,-90.843 h1.97 r90
S1: Mechanical 2 ">NAME" at -39.98,-116.383 h1.97; Mechanical 4 ">VALUE" at -39.98,-116.383 h1.97
S2: Mechanical 2 ">NAME" at -0.229,-116.51 h1.97; Mechanical 4 ">VALUE" at -0.229,-116.51 h1.97
S3: Mechanical 2 ">NAME" at 39.649,-116.51 h1.97; Mechanical 4 ">VALUE" at 39.649,-116.51 h1.97